# Altium PCB Layout.PcbDoc (part 2 of 2)
Units mil, origin at the board's own origin, x right, y up, seen from the top; angles counter-clockwise.
Board outline 8465 x 3620 mil, 2 copper layers (Top Layer, Bottom Layer); 213 components, 109 nets, 585 pads, 1112 vias.
Unrouted connection lines stored in the file: 2.
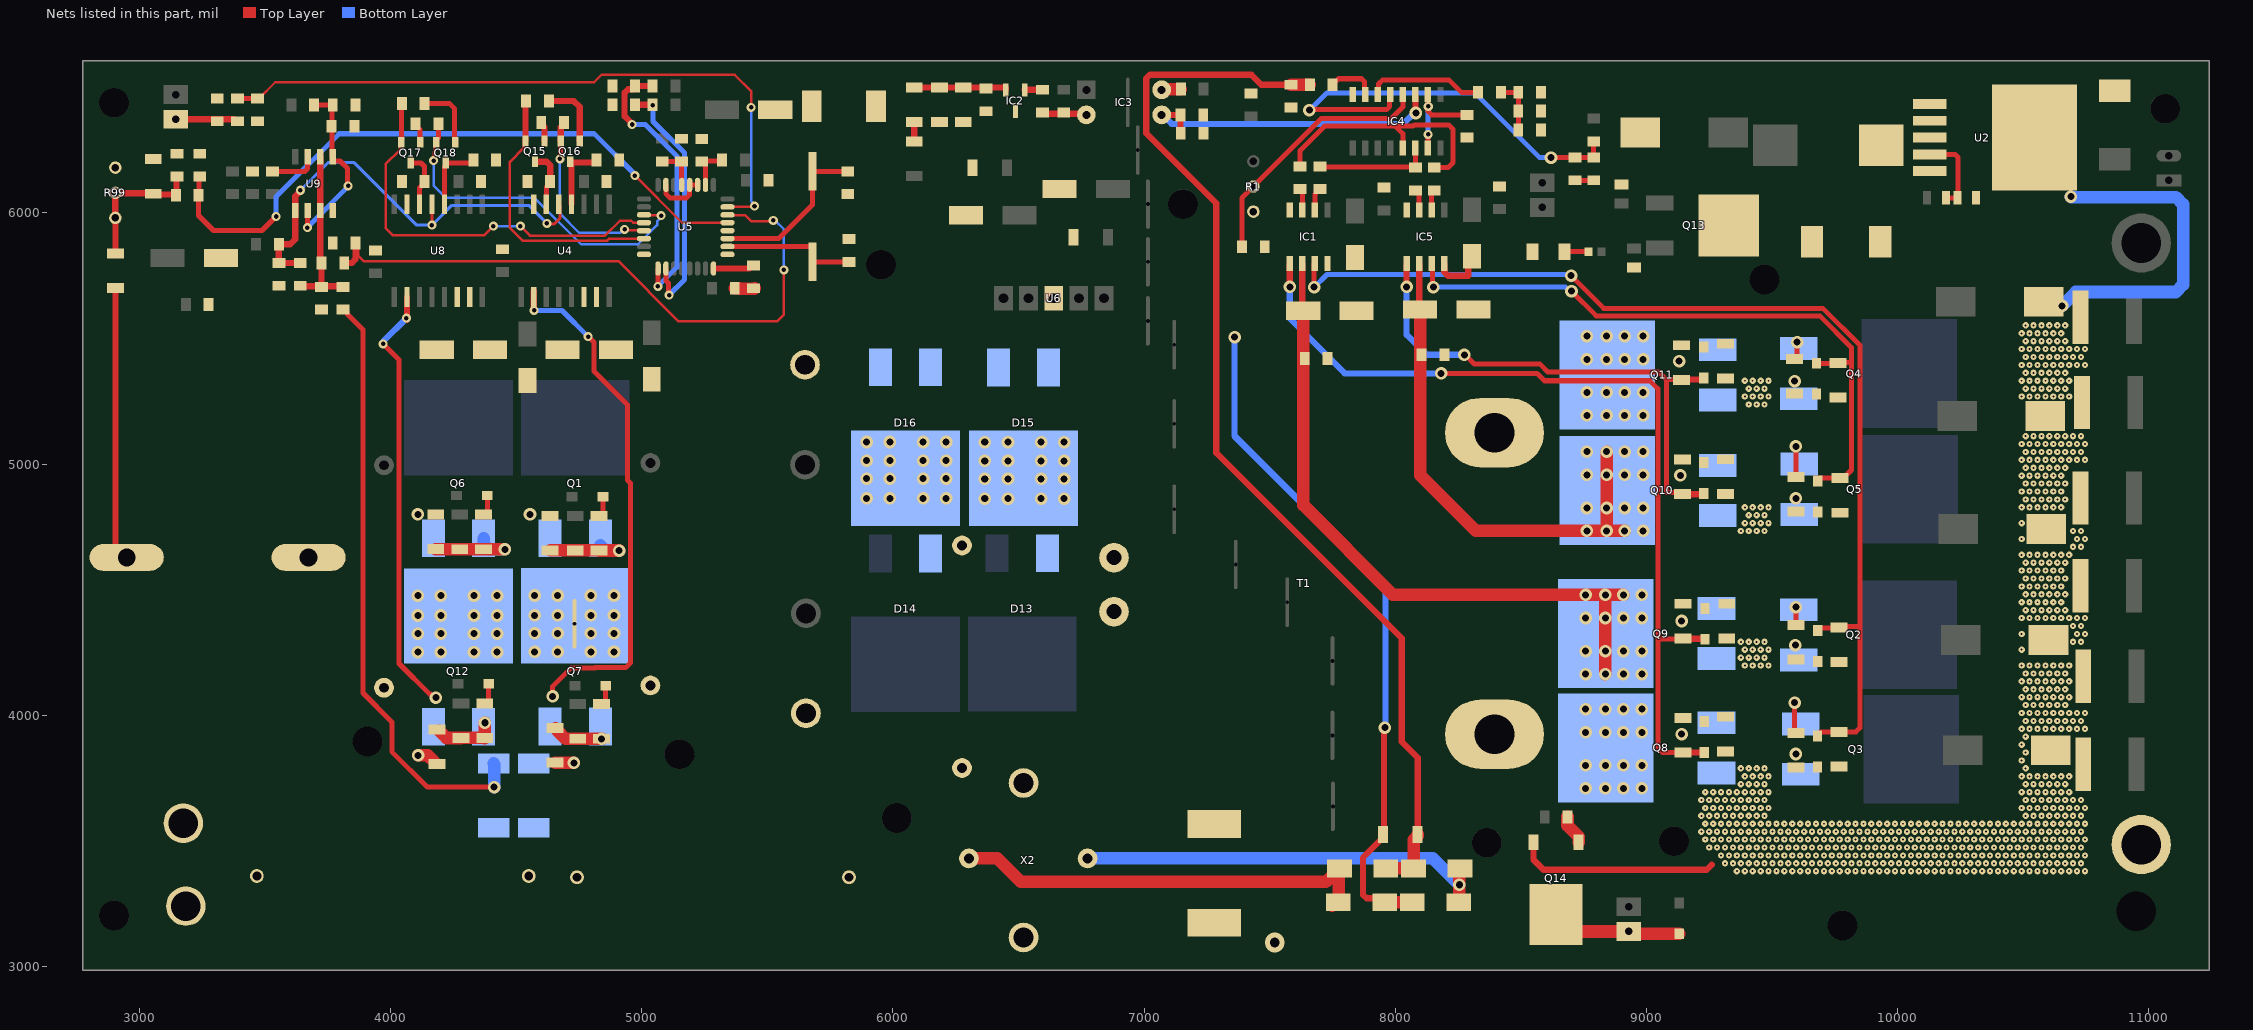
[diagram p2: the nets of this part, all layers, seen from the top]

## Via types
v1: diameter 25/25 (per signal layer), hole 7.87, Top Layer to Bottom Layer, 755 vias
v2: diameter 50, hole 28, Top Layer to Bottom Layer, 305 vias
v3: diameter 36, hole 18, Top Layer to Bottom Layer, 51 vias
v4: diameter 78.74, hole 39.37, Top Layer to Bottom Layer, 1 vias

## Nets (pads, with @x,y where several pads share a name; then routed paths per layer and width w, separated by ;. In a path a pad name is that pad's centre, name@x,y a point inside that pad or via, vN(x,y) a via of type N, cw(c..) or ccw(c..) an arc to the next point about the centre after c; other vN are vias at no path point) (continued)
GND: C2.2 C3.2 C5.2 C7.1 C10.2 C12.1 C14.2 C15.1 C17.1 C18.1 C28.1 C40.2 C41.2 C42.2 C43.2 C44.2 C45.2 C46.2 C47.2 C48.2 C49.2 C50.2 C60.2 D2.A D3.a D4.a IC1.4 IC4.16 IC5.4 LED5.1 pad.12@10970,3485 Q8.2 Q9.2 Q10.2 Q11.2 Q13.4 Q14.3 R1.3 R19.1 R22.1 R28.2 R53.2 R54.2 R55.2 R56.2 R65.2 U2.3 U2.5 U2.6 | length 4798.6
  Top Layer w25: R28.2@7951.1,3511.22 7943.92,3504.04 7942.59,3504.04 7871.24,3432.69 7871.24,3285.69 7885.89,3271.04 7941.47,3271.04 D4.a@7957.52,3255 ; R28.2@7951.1,3525 7954.82,3528.71 7954.82,3946.9 v2(7958.53,3950.62) ; Q14.3@8550.24,3493.98 8550.24,3424.76 8590,3385 9240,3385 9260,3405
  Top Layer w50: D4.a@7960.02,3252.5 7962.52,3255 8062.48,3255 D3.a@8064.98,3252.5
  Bottom Layer w25: v2(7360,5505) 7360,5111.62 7960.96,4510.66 7960.96,3953.05 v2(7958.53,3950.62)
  Bottom Layer w50: v2(10655,5630) 10710,5685 11107.79,5685 11137.08,5714.29 11137.08,6033.66 11107.79,6062.95 10692.05,6062.95 v2(10690,6065)
  other v1: 9360.02,3378.9 9391.51,3378.9 9423.01,3378.9 9454.5,3378.9 9486,3378.9 9517.5,3378.9 9548.99,3378.9 9580.49,3378.9 9611.99,3378.9 9643.48,3378.9 9674.98,3378.9 9706.47,3378.9 9737.97,3378.9 9769.47,3378.9 9800.96,3378.9 9832.46,3378.9 9863.95,3378.9 9895.45,3378.9 9926.95,3378.9 9958.44,3378.9 9989.94,3378.9 10021.43,3378.9 10052.93,3378.9 10084.43,3378.9 10115.92,3378.9 10147.42,3378.9 10178.92,3378.9 10210.41,3378.9 10241.91,3378.9 10273.4,3378.9 10304.9,3378.9 10336.4,3378.9 10367.89,3378.9 10399.39,3378.9 10430.88,3378.9 10462.38,3378.9 10493.88,3378.9 10525.37,3378.9 10556.87,3378.9 10588.36,3378.9 10619.86,3378.9 10651.36,3378.9 10682.85,3378.9 10714.35,3378.9 10745.84,3378.9 9312.77,3410.4 9344.27,3410.4 9375.76,3410.4 9407.26,3410.4 9438.76,3410.4 9470.25,3410.4 9501.75,3410.4 9533.25,3410.4 9564.74,3410.4 9596.24,3410.4 9627.73,3410.4 9659.23,3410.4 9690.73,3410.4 9722.22,3410.4 9753.72,3410.4 9785.21,3410.4 9816.71,3410.4 9848.21,3410.4 9879.7,3410.4 9911.2,3410.4 9942.69,3410.4 9974.19,3410.4 10005.69,3410.4 10037.18,3410.4 10068.68,3410.4 10100.17,3410.4 10131.67,3410.4 10163.17,3410.4 10194.66,3410.4 10226.16,3410.4 10257.66,3410.4 10289.15,3410.4 10320.65,3410.4 10352.14,3410.4 10383.64,3410.4 10415.14,3410.4 10446.63,3410.4 10478.13,3410.4 10509.62,3410.4 10541.12,3410.4 10572.62,3410.4 10604.11,3410.4 10635.61,3410.4 10667.1,3410.4 10698.6,3410.4 10730.1,3410.4 9297.02,3441.9 9328.52,3441.9 9360.02,3441.9 9391.51,3441.9 9423.01,3441.9 9454.5,3441.9 9486,3441.9 9517.5,3441.9 9548.99,3441.9 9580.49,3441.9 9611.99,3441.9 9643.48,3441.9 9674.98,3441.9 9706.47,3441.9 9737.97,3441.9 9769.47,3441.9 9800.96,3441.9 9832.46,3441.9 9863.95,3441.9 9895.45,3441.9 9926.95,3441.9 9958.44,3441.9 9989.94,3441.9 10021.43,3441.9 10052.93,3441.9 10084.43,3441.9 10115.92,3441.9 10147.42,3441.9 10178.92,3441.9 10210.41,3441.9 10241.91,3441.9 10273.4,3441.9 10304.9,3441.9 10336.4,3441.9 10367.89,3441.9 10399.39,3441.9 10430.88,3441.9 10462.38,3441.9 10493.88,3441.9 10525.37,3441.9 10556.87,3441.9 10588.36,3441.9 10619.86,3441.9 10651.36,3441.9 10682.85,3441.9 10714.35,3441.9 10745.84,3441.9 9249.78,3473.39 9281.28,3473.39 9312.77,3473.39 9344.27,3473.39 9375.76,3473.39 9407.26,3473.39 9438.76,3473.39 9470.25,3473.39 9501.75,3473.39 9533.25,3473.39 9564.74,3473.39 9596.24,3473.39 9627.73,3473.39 9659.23,3473.39 9690.73,3473.39 9722.22,3473.39 9753.72,3473.39 9785.21,3473.39 9816.71,3473.39 9848.21,3473.39 9879.7,3473.39 9911.2,3473.39 9942.69,3473.39 9974.19,3473.39 10005.69,3473.39 10037.18,3473.39 10068.68,3473.39 10100.17,3473.39 10131.67,3473.39 10163.17,3473.39 10194.66,3473.39 10226.16,3473.39 10257.66,3473.39 10289.15,3473.39 10320.65,3473.39 10352.14,3473.39 10383.64,3473.39 10415.14,3473.39 10446.63,3473.39 10478.13,3473.39 10509.62,3473.39 10541.12,3473.39 10572.62,3473.39 10604.11,3473.39 10635.61,3473.39 10667.1,3473.39 10698.6,3473.39 10730.1,3473.39 9234.03,3504.89 9265.53,3504.89 9297.02,3504.89 9328.52,3504.89 9360.02,3504.89 9391.51,3504.89 9423.01,3504.89 9454.5,3504.89 9486,3504.89 9517.5,3504.89 9548.99,3504.89 9580.49,3504.89 9611.99,3504.89 9643.48,3504.89 9674.98,3504.89 9706.47,3504.89 9737.97,3504.89 9769.47,3504.89 9800.96,3504.89 9832.46,3504.89 9863.95,3504.89 9895.45,3504.89 9926.95,3504.89 9958.44,3504.89 9989.94,3504.89 10021.43,3504.89 10052.93,3504.89 10084.43,3504.89 10115.92,3504.89 10147.42,3504.89 10178.92,3504.89 10210.41,3504.89 10241.91,3504.89 10273.4,3504.89 10304.9,3504.89 10336.4,3504.89 10367.89,3504.89 10399.39,3504.89 10430.88,3504.89 10462.38,3504.89 10493.88,3504.89 10525.37,3504.89 10556.87,3504.89 10588.36,3504.89 10619.86,3504.89 10651.36,3504.89 10682.85,3504.89 10714.35,3504.89 10745.84,3504.89 9218.28,3536.38 9249.78,3536.38 9281.28,3536.38 9312.77,3536.38 9344.27,3536.38 9375.76,3536.38 9407.26,3536.38 9438.76,3536.38 9470.25,3536.38 9501.75,3536.38 9533.25,3536.38 9564.74,3536.38 9596.24,3536.38 9627.73,3536.38 9659.23,3536.38 9690.73,3536.38 9722.22,3536.38 9753.72,3536.38 9785.21,3536.38 9816.71,3536.38 9848.21,3536.38 9879.7,3536.38 9911.2,3536.38 9942.69,3536.38 9974.19,3536.38 10005.69,3536.38 10037.18,3536.38 10068.68,3536.38 10100.17,3536.38 10131.67,3536.38 10163.17,3536.38 10194.66,3536.38 10226.16,3536.38 10257.66,3536.38 10289.15,3536.38 10320.65,3536.38 10352.14,3536.38 10383.64,3536.38 10415.14,3536.38 10446.63,3536.38 10478.13,3536.38 10509.62,3536.38 10541.12,3536.38 10572.62,3536.38 10604.11,3536.38 10635.61,3536.38 10667.1,3536.38 10698.6,3536.38 10730.1,3536.38 9234.03,3567.88 9265.53,3567.88 9297.02,3567.88 9328.52,3567.88 9360.02,3567.88 9391.51,3567.88 9423.01,3567.88 9454.5,3567.88 9486,3567.88 9517.5,3567.88 9548.99,3567.88 9580.49,3567.88 9611.99,3567.88 9643.48,3567.88 9674.98,3567.88 9706.47,3567.88 9737.97,3567.88 9769.47,3567.88 9800.96,3567.88 9832.46,3567.88 9863.95,3567.88 9895.45,3567.88 9926.95,3567.88 9958.44,3567.88 9989.94,3567.88 10021.43,3567.88 10052.93,3567.88 10084.43,3567.88 10115.92,3567.88 10147.42,3567.88 10178.92,3567.88 10210.41,3567.88 10241.91,3567.88 10273.4,3567.88 10304.9,3567.88 10336.4,3567.88 10367.89,3567.88 10399.39,3567.88 10430.88,3567.88 10462.38,3567.88 10493.88,3567.88 10525.37,3567.88 10556.87,3567.88 10588.36,3567.88 10619.86,3567.88 10651.36,3567.88 10682.85,3567.88 10714.35,3567.88 10745.84,3567.88 9218.28,3599.38 9249.78,3599.38 9281.28,3599.38 9312.77,3599.38 9344.27,3599.38 9375.76,3599.38 9407.26,3599.38 9438.76,3599.38 9470.25,3599.38 10509.62,3599.38 10541.12,3599.38 10572.62,3599.38 10604.11,3599.38 10635.61,3599.38 10667.1,3599.38 10698.6,3599.38 10730.1,3599.38 9234.03,3630.87 9265.53,3630.87 9297.02,3630.87 9328.52,3630.87 9360.02,3630.87 9391.51,3630.87 9423.01,3630.87 9454.5,3630.87 9486,3630.87 10493.88,3630.87 10525.37,3630.87 10556.87,3630.87 10588.36,3630.87 10619.86,3630.87 10651.36,3630.87 10682.85,3630.87 10714.35,3630.87 10745.84,3630.87 9218.28,3662.37 9249.78,3662.37 9281.28,3662.37 9312.77,3662.37 9344.27,3662.37 9375.76,3662.37 9407.26,3662.37 9438.76,3662.37 9470.25,3662.37 10509.62,3662.37 10541.12,3662.37 10572.62,3662.37 10604.11,3662.37 10635.61,3662.37 10667.1,3662.37 10698.6,3662.37 10730.1,3662.37 9234.03,3693.86 9265.53,3693.86 9297.02,3693.86 9328.52,3693.86 9360.02,3693.86 9391.51,3693.86 9423.01,3693.86 9454.5,3693.86 9486,3693.86 10493.88,3693.86 10525.37,3693.86 10556.87,3693.86 10588.36,3693.86 10619.86,3693.86 10651.36,3693.86 10682.85,3693.86 9375.76,3725.36 9407.26,3725.36 9438.76,3725.36 9470.25,3725.36 10509.62,3725.36 10541.12,3725.36 10572.62,3725.36 10604.11,3725.36 10635.61,3725.36 10667.1,3725.36 9391.51,3756.86 9423.01,3756.86 9454.5,3756.86 9486,3756.86 10493.88,3756.86 10525.37,3756.86 10556.87,3756.86 10588.36,3756.86 10619.86,3756.86 10651.36,3756.86 10682.85,3756.86 9375.76,3788.35 9407.26,3788.35 9438.76,3788.35 9470.25,3788.35 10509.62,3788.35 10493.88,3819.85 10509.62,3851.34 10493.88,3882.84 10509.62,3914.34 10493.88,3945.83 10525.37,3945.83 10556.87,3945.83 10588.36,3945.83 10619.86,3945.83 10651.36,3945.83 10682.85,3945.83 10714.35,3945.83 10745.84,3945.83 10509.62,3977.33 10541.12,3977.33 10572.62,3977.33 10604.11,3977.33 10635.61,3977.33 10667.1,3977.33 10698.6,3977.33 10730.1,3977.33 10493.88,4008.83 10525.37,4008.83 10556.87,4008.83 10588.36,4008.83 10619.86,4008.83 10651.36,4008.83 10682.85,4008.83 10714.35,4008.83 10745.84,4008.83 10509.62,4040.32 10541.12,4040.32 10572.62,4040.32 10604.11,4040.32 10635.61,4040.32 10667.1,4040.32 10493.88,4071.82 10525.37,4071.82 10556.87,4071.82 10588.36,4071.82 10619.86,4071.82 10651.36,4071.82 10682.85,4071.82 10509.62,4103.31 10541.12,4103.31 10572.62,4103.31 10604.11,4103.31 10635.61,4103.31 10667.1,4103.31 10493.88,4134.81 10525.37,4134.81 10556.87,4134.81 10588.36,4134.81 10619.86,4134.81 10651.36,4134.81 10682.85,4134.81 10509.62,4166.31 10541.12,4166.31 10572.62,4166.31 10604.11,4166.31 10635.61,4166.31 10667.1,4166.31 9391.51,4197.8 9423.01,4197.8 9454.5,4197.8 9486,4197.8 10493.88,4197.8 10525.37,4197.8 10556.87,4197.8 10588.36,4197.8 10619.86,4197.8 10651.36,4197.8 10682.85,4197.8 9375.76,4229.3 9407.26,4229.3 9438.76,4229.3 9470.25,4229.3 9391.51,4260.79 9423.01,4260.79 9454.5,4260.79 9486,4260.79 10493.88,4260.79 9375.76,4292.29 9407.26,4292.29 9438.76,4292.29 9470.25,4292.29 10698.6,4292.29 10730.1,4292.29 10493.88,4323.79 10714.35,4323.79 10745.84,4323.79 10698.6,4355.28 10730.1,4355.28 10493.88,4386.78 10525.37,4386.78 10556.87,4386.78 10588.36,4386.78 10619.86,4386.78 10651.36,4386.78 10682.85,4386.78 10714.35,4386.78 10745.84,4386.78 10509.62,4418.27 10541.12,4418.27 10572.62,4418.27 10604.11,4418.27 10635.61,4418.27 10667.1,4418.27 10493.88,4449.77 10525.37,4449.77 10556.87,4449.77 10588.36,4449.77 10619.86,4449.77 10651.36,4449.77 10509.62,4481.27 10541.12,4481.27 10572.62,4481.27 10604.11,4481.27 10635.61,4481.27 10667.1,4481.27 10493.88,4512.76 10525.37,4512.76 10556.87,4512.76 10588.36,4512.76 10619.86,4512.76 10651.36,4512.76 10509.62,4544.26 10541.12,4544.26 10572.62,4544.26 10604.11,4544.26 10635.61,4544.26 10667.1,4544.26 10493.88,4575.76 10525.37,4575.76 10556.87,4575.76 10588.36,4575.76 10619.86,4575.76 10651.36,4575.76 10509.62,4607.25 10541.12,4607.25 10572.62,4607.25 10604.11,4607.25 10635.61,4607.25 10667.1,4607.25 10493.88,4638.75 10525.37,4638.75 10556.87,4638.75 10588.36,4638.75 10619.86,4638.75 10651.36,4638.75 10682.85,4638.75 10698.6,4670.24 10730.1,4670.24 10493.88,4701.74 10714.35,4701.74 10745.84,4701.74 9375.76,4733.24 9407.26,4733.24 9438.76,4733.24 9470.25,4733.24 10698.6,4733.24 10730.1,4733.24 9391.51,4764.73 9423.01,4764.73 9454.5,4764.73 9486,4764.73 10493.88,4764.73 9407.26,4796.23 9438.76,4796.23 9470.25,4796.23 9391.51,4827.72 9423.01,4827.72 9454.5,4827.72 9486,4827.72 10493.88,4827.72 10525.37,4827.72 10556.87,4827.72 10588.36,4827.72 10619.86,4827.72 10651.36,4827.72 10509.62,4859.22 10541.12,4859.22 10572.62,4859.22 10604.11,4859.22 10635.61,4859.22 10667.1,4859.22 10493.88,4890.72 10525.37,4890.72 10556.87,4890.72 10588.36,4890.72 10619.86,4890.72 10651.36,4890.72 10509.62,4922.21 10541.12,4922.21 10572.62,4922.21 10604.11,4922.21 10635.61,4922.21 10667.1,4922.21 10493.88,4953.71 10525.37,4953.71 10556.87,4953.71 10588.36,4953.71 10619.86,4953.71 10651.36,4953.71 10509.62,4985.2 10541.12,4985.2 10572.62,4985.2 10604.11,4985.2 10635.61,4985.2 10667.1,4985.2 10493.88,5016.7 10525.37,5016.7 10556.87,5016.7 10588.36,5016.7 10619.86,5016.7 10651.36,5016.7 10682.85,5016.7 10714.35,5016.7 10745.84,5016.7 10509.62,5048.2 10541.12,5048.2 10572.62,5048.2 10604.11,5048.2 10635.61,5048.2 10667.1,5048.2 10698.6,5048.2 10730.1,5048.2 10493.88,5079.69 10525.37,5079.69 10556.87,5079.69 10588.36,5079.69 10619.86,5079.69 10651.36,5079.69 10682.85,5079.69 10714.35,5079.69 10745.84,5079.69 10509.62,5111.19 10541.12,5111.19 10572.62,5111.19 10604.11,5111.19 10635.61,5111.19 10667.1,5111.19 10698.6,5111.19 10730.1,5111.19 9407.26,5237.17 9438.76,5237.17 9470.25,5237.17 9391.51,5268.67 9423.01,5268.67 9454.5,5268.67 9486,5268.67 10493.88,5268.67 10525.37,5268.67 10556.87,5268.67 10588.36,5268.67 10619.86,5268.67 10651.36,5268.67 10682.85,5268.67 9407.26,5300.17 9438.76,5300.17 9470.25,5300.17 10509.62,5300.17 10541.12,5300.17 10572.62,5300.17 10604.11,5300.17 10635.61,5300.17 10667.1,5300.17 9391.51,5331.66 9423.01,5331.66 9454.5,5331.66 9486,5331.66 10493.88,5331.66 10525.37,5331.66 10556.87,5331.66 10588.36,5331.66 10619.86,5331.66 10651.36,5331.66 10682.85,5331.66 10509.62,5363.16 10541.12,5363.16 10572.62,5363.16 10604.11,5363.16 10635.61,5363.16 10667.1,5363.16 10493.88,5394.65 10525.37,5394.65 10556.87,5394.65 10588.36,5394.65 10619.86,5394.65 10651.36,5394.65 10682.85,5394.65 10714.35,5394.65 10745.84,5394.65 10509.62,5426.15 10541.12,5426.15 10572.62,5426.15 10604.11,5426.15 10635.61,5426.15 10667.1,5426.15 10698.6,5426.15 10730.1,5426.15 10493.88,5457.65 10525.37,5457.65 10556.87,5457.65 10588.36,5457.65 10619.86,5457.65 10651.36,5457.65 10682.85,5457.65 10714.35,5457.65 10745.84,5457.65 10509.62,5489.14 10541.12,5489.14 10572.62,5489.14 10604.11,5489.14 10635.61,5489.14 10667.1,5489.14 10493.88,5520.64 10525.37,5520.64 10556.87,5520.64 10588.36,5520.64 10619.86,5520.64 10651.36,5520.64 10509.62,5552.13 10541.12,5552.13 10572.62,5552.13 10604.11,5552.13 10635.61,5552.13 10667.1,5552.13
GND2: C34.1 C36.1 C51.1 C52.1 C53.2 C55.2 C56.2 C66.1 C67.2 C68.2 C69.1 C70.1 C71.1 C72.1 C73.1 C75.1 C76.1 C77.1 C78.2 C79.1 C81.1 C83.1 C84.1 C85.1 C86.1 D15.2 D16.2 IC2.3 R30.1 R31.1 R46.2 R61.1 R62.1 R70.1 R71.1 R78.1 R78.2 R80.2 R82.2 R86.1 R88.2 R90.1 R93.2 R97.2 R99.1 R101.1 U4.15 U5.9 U5.12 U5.32 U6.3 U8.15 U9.4
HO1: D11.k D12.k IC5.7 R35.1 R36.1 | length 2637
  Top Layer w20: IC5.7@8145,5798.23 8147.8,5795.43 8147.8,5708.74 v2(8151.85,5704.68) ; v2(8701.5,5688.5) 8800,5590 9690,5590 9816.46,5463.54 9816.46,4976.58 9783.78,4943.9 R36.1@9770,4943.9 9690.67,4943.9 9681.97,4935.2 D12.k@9681.97,4932.46 ; D11.k@9676.96,5401.26 9762.99,5401.26 9765.45,5403.71 9810.74,5403.71
  Bottom Layer w20: v2(8151.85,5704.68) 8677.2,5704.68 8693.38,5688.5 v2(8701.5,5688.5)
HO2: D9.k D10.k IC1.7 R33.1 R34.1 | length 4288.5
  Top Layer w20: v2(7677.03,5704.03) 7677.03,5759.03 7677.2,5759.2 7677.2,5795.43 IC1.7@7680,5798.23 ; v2(8700,5750) 8830,5620 9702.43,5620 9850,5472.43 9850,4353.45 ; D10.k@9680.78,3917.59 9680.78,3920.54 9693.86,3933.62 R34.1@9766.46,3933.62 9833.62,3933.62 9850,3950 9850,4353.45 ; D9.k@9681.97,4337.46 9681.97,4338.28 9690.67,4346.98 9764.36,4346.98 R33.1@9766.62,4349.24 9770.84,4353.45 9850,4353.45
  Bottom Layer w20: v2(7677.03,5704.03) 7728,5755 8695,5755 v2(8700,5750)
IFBCOM: C1.1 C4.1 Q7.2 Q12.2 R61.2 R62.2 R76.1 R77.2 R91.1 U4.2 U8.2 | length 6389.8
  Top Layer w20: R91.1@3810,5614.72 3815.91,5614.72 3825.59,5605.04 3825.59,5599.13 3890,5534.72 3890,4088.08 4005,3973.08 4005,3855 4145.97,3714.03 v2(4412.37,3714.03) ; v3(3970.56,5478.31) 4033.3,5415.58 4033.3,4206.3 4155.91,4083.69 4158.19,4083.69 4171.88,4070 v2(4180,4070) ; v2(4645,4075) 4645,4115 4718.94,4188.94 4813.94,4188.94 4814.37,4189.37 4935.69,4189.37 4955,4208.68 4955,4923.64 4942.86,4935.78 4942.86,5236.01 4809.68,5369.19 4809.68,5485.31 v3@4785,5510
  Top Layer w25: v3@4065,5575 U8.2@4065,5665 ; v3@4570,5610 U4.2@4570,5665 U4.2@4570,5690
  Top Layer w50: v2(4110,3840) 4147.95,3840 R77.2@4176.54,3811.42 ; R76.1@4655,3811.1 4656.1,3810 v2(4730,3810)
  Bottom Layer w20: v3(4571.25,5611.6) 4682.14,5611.6 v3(4786.71,5507.02)
  Bottom Layer w25: v3(3970.56,5478.31) 3972.67,5480.42 3972.67,5490.23 v3(4063.22,5580.78)
  Bottom Layer w50: R62.2@4410,3807.95 4412.37,3805.58 v2(4412.37,3714.03)
IFBOP: C75.2 R85.1 R91.2 R92.1 U9.3 U9.6 | length 692.2
  Top Layer w25: R92.1@3640,5709.72 3642.22,5707.5 C75.2@3724.86,5707.5 ; U9.6@3720,6223.54 U9.3@3720,6010 3720.3,6009.7 3720.3,5804.43 R85.1@3724.72,5800 3724.86,5799.86 C75.2@3724.86,5707.5 ; C75.2@3725,5705.28 3724.86,5705.41 C75.2@3724.86,5707.5 ; R91.2@3810,5705.28 3807.78,5707.5 C75.2@3724.86,5707.5
LO1: D19.k D20.k IC5.5 R49.1 R50.1 | length 2143.1
  Top Layer w20: v2(8275,5435) 8278.06,5435 8315.42,5397.64 8576.6,5397.64 8608.22,5366.02 9050.09,5366.02 9080,5336.1 ; R50.1@9130.72,5336.82 9130,5336.1 9080,5336.1 ; R49.1@9142.91,4880.96 9137.15,4886.72 9129.39,4886.72 9080,4886.72 9080,5336.1
  Top Layer w25: v2(8045,5705) IC5.5@8045,5798.23 ; R49.1@9129.39,4886.72 9136.78,4879.32 9221.25,4879.32 D19.k@9223.03,4877.54 ; R50.1@9130.72,5336.82 9217.31,5336.82 D20.k@9218.03,5337.54
  Bottom Layer w25: v2(8045,5705) 8045,5515 8125,5435 v2(8275,5435)
LO2: D17.k D18.k IC1.5 R47.1 R48.1 | length 3617.7
  Top Layer w20: v2(8182.25,5360.72) 8565.13,5360.72 8594.24,5331.61 9013.39,5331.61 9045,5300 9045,4320 ; R47.1@9145,3851.1 9063.9,3851.1 9045,3870 9045,4320 ; R48.1@9146.78,4304.32 9060.68,4304.32 9045,4320
  Top Layer w25: v2(7580,5705) IC1.5@7580,5798.23 ; R47.1@9145,3851.1 9145.43,3851.54 9229.57,3851.54 D17.k@9230,3851.97 ; R48.1@9146.78,4304.32 9231.25,4304.32 D18.k@9233.03,4302.54
  Bottom Layer w25: v2(7580,5705) 7580,5580 7799.28,5360.72 v2(8182.25,5360.72)
NetC7_2: C7.2 IC4.12 R1.2 | length 1034.7
  Top Layer w20: C7.2@7388.94,5865.78 7388.94,6058.94 R1.2@7435,6105 7706.5,6376.5 7985.11,6376.5 8030,6421.4 IC4.12@8030,6471.77
NetC8_1: C8.1 R4.1 | length 75
  Top Layer w20: R4.1@8715,6129.72 C8.1@8790,6129.72
NetC8_2: C8.2 IC4.13 R3.1 R4.2 | length 1706.2
  Top Layer w20: v2(7658.3,6409.45) 7659.87,6411.03 7965.49,6411.03 7977.2,6422.74 7977.2,6468.98 IC4.13@7980,6471.77 ; v2(8620,6220) 8620.14,6220.14 8714.86,6220.14 R4.2@8715,6220.28 C8.2@8790,6220.28 R3.1@8790,6284.72
  Bottom Layer w20: v2(7658.3,6409.45) 7659.26,6409.45 7727.85,6478.04 8316.96,6478.04 8575,6220 v2(8620,6220)
NetC11_2: C11.2 C13.1 D26.k IC1.8
NetC15_2: C15.2 IC4.7 IC4.10 | length 394
  Top Layer w20: IC4.7@8130,6258.23 8130.3,6258.53 8130.3,6312.45 v3(8130.61,6312.75) ; IC4.10@8130,6471.77 8130,6405 8144.72,6390.28 C15.2@8285,6390.28
  Bottom Layer w20: v3(8130.61,6312.75) 8130.91,6313.05 8130.91,6423.55 v3(8131.22,6423.85)
NetC16_2: C16.2 C19.1 D27.k IC5.8 | length 218.4
  Top Layer w25: IC5.8@8195,5798.23 8195.3,5797.93 8195.3,5764.64 8209.94,5750 8290.36,5750 8290.36,5812.84 D27.k@8305,5827.48
NetC18_2: C18.2 C28.2 R10.1 R22.2 | length 219.4
  Top Layer w20: R10.1@8420.28,6480 C18.2@8489.72,6480 C28.2@8489.72,6405 R22.2@8489.72,6330
NetC39_1: C39.1 D24.k U4.7
NetC51_2: C51.2 U5.10 X3.1 | length 542
  Top Layer w20: U5.10@5341.34,5866.26 5674.25,5866.26 5680,5860.51 X3.1@5680,5804.63 5680.09,5804.72 C51.2@5825,5804.72
NetC52_2: C52.2 U5.11 X3.2 | length 667.3
  Top Layer w20: U5.11@5341.34,5897.76 5545.6,5897.76 5680,6032.15 X3.2@5680,6165 5680.28,6165.28 C52.2@5820,6165.28
NetC54_1: C54.1 X2.3
NetC54_2: C54.2 D14.2 D16.1
  other v2: 5895.47,4863.35 5987.99,4863.35 6119.88,4863.35 6211.42,4863.35 5895.47,4942.09 5987.99,4942.09 6119.88,4942.09 6211.42,4942.09 5895.47,5013.94 5987.99,5013.94 6119.88,5013.94 6211.42,5013.94 5895.47,5087.76 5987.99,5087.76 6119.88,5087.76 6211.42,5087.76
NetC66_2: C66.2 IC2.2 R68.1 R70.2 R71.2 | length 373
  Top Layer w25: R68.1@6085,6498.9 R71.2@6185,6498.9 R70.2@6280,6498.9 6448.5,6498.9 6450,6497.4 IC2.2@6450,6490
NetC71_2: C71.2 R85.2 U5.14 | length 2555.2
  Top Layer w10: C71.2@3870.86,5863.51 3870.86,5829.52 3892.56,5807.82 4907.18,5807.82 5146.66,5568.34 5538.29,5568.34 5565.96,5596.01 v3(5565.96,5773) ; U5.14@5341.34,5992.24 5342.47,5991.11 5411.31,5991.11 5436.05,5966.37 5519.81,5966.37 v3(5523.53,5970.09)
  Top Layer w25: R85.2@3815.28,5800 3845.36,5800 3860,5814.64 3860,5879.72 C71.2@3860.28,5880
  Bottom Layer w10: v3(5523.53,5970.09) 5530.57,5970.09 5565.96,5934.7 v3(5565.96,5773)
NetC73_2: C73.2 R89.2 U5.15 | length 2683.8
  Top Layer w10: C73.2@3470,6455.28 3475.91,6455.28 3540.63,6520 4810,6520 4840,6550 5370,6550 5435.39,6484.61 v3(5435.39,6420.39) ; U5.15@5341.34,6023.74 5342.92,6025.32 5447.25,6025.32 v3(5448.84,6026.91)
  Top Layer w20: R89.2@3390,6455.28 C73.2@3470,6455.28
  Bottom Layer w10: v3(5435.39,6420.39) 5435.39,6047.39 5448.84,6033.94 v3(5448.84,6026.91)
NetC77_2: C77.2 R94.2 U5.13 | length 2642.1
  Top Layer w10: v3(4972.94,6148.19) 5160.38,5960.75 U5.13@5341.34,5960.75
  Top Layer w20: C77.2@3240,6144.72 3237.78,6142.5 3237.78,6072.22 R94.2@3235.55,6070 3235.55,5989.45 3295,5930 3488.27,5930 v3(3543.84,5985.57)
  Bottom Layer w20: v3(3543.84,5985.57) 3543.84,6063.84 3795,6315 4810.35,6315 4972.94,6152.41 v3(4972.94,6148.19)
NetC82_1: C82.1 D25.k U8.7
NetC83_2: C83.2 R94.1 R97.1 R99.2 R99.3 R102.2 | length 563.5
  Top Layer w25: R102.2@2905,5838.9 2904.47,5839.43 2904.47,5979.47 R99.3@2903.94,5980 R99.2@2903.94,6080 2905.89,6078.05 3053.05,6078.05 R97.1@3055,6076.1 3058.05,6073.05 3141.95,6073.05 R94.1@3145,6070 3147.5,6072.5 3147.5,6142.22 C83.2@3150,6144.72